# Altium PCB RMP_MAIN_PCB.PcbDoc (part 2 of 2)
Units mil, origin at the board's own origin, x right, y up, seen from the top; angles counter-clockwise.
Board outline 8260 x 4600 mil, 2 copper layers (Top Layer, Bottom Layer), stack 38.977 mil thick; 217 components, 130 nets, 944 pads, 269 vias.
Unrouted connection lines stored in the file: 5.
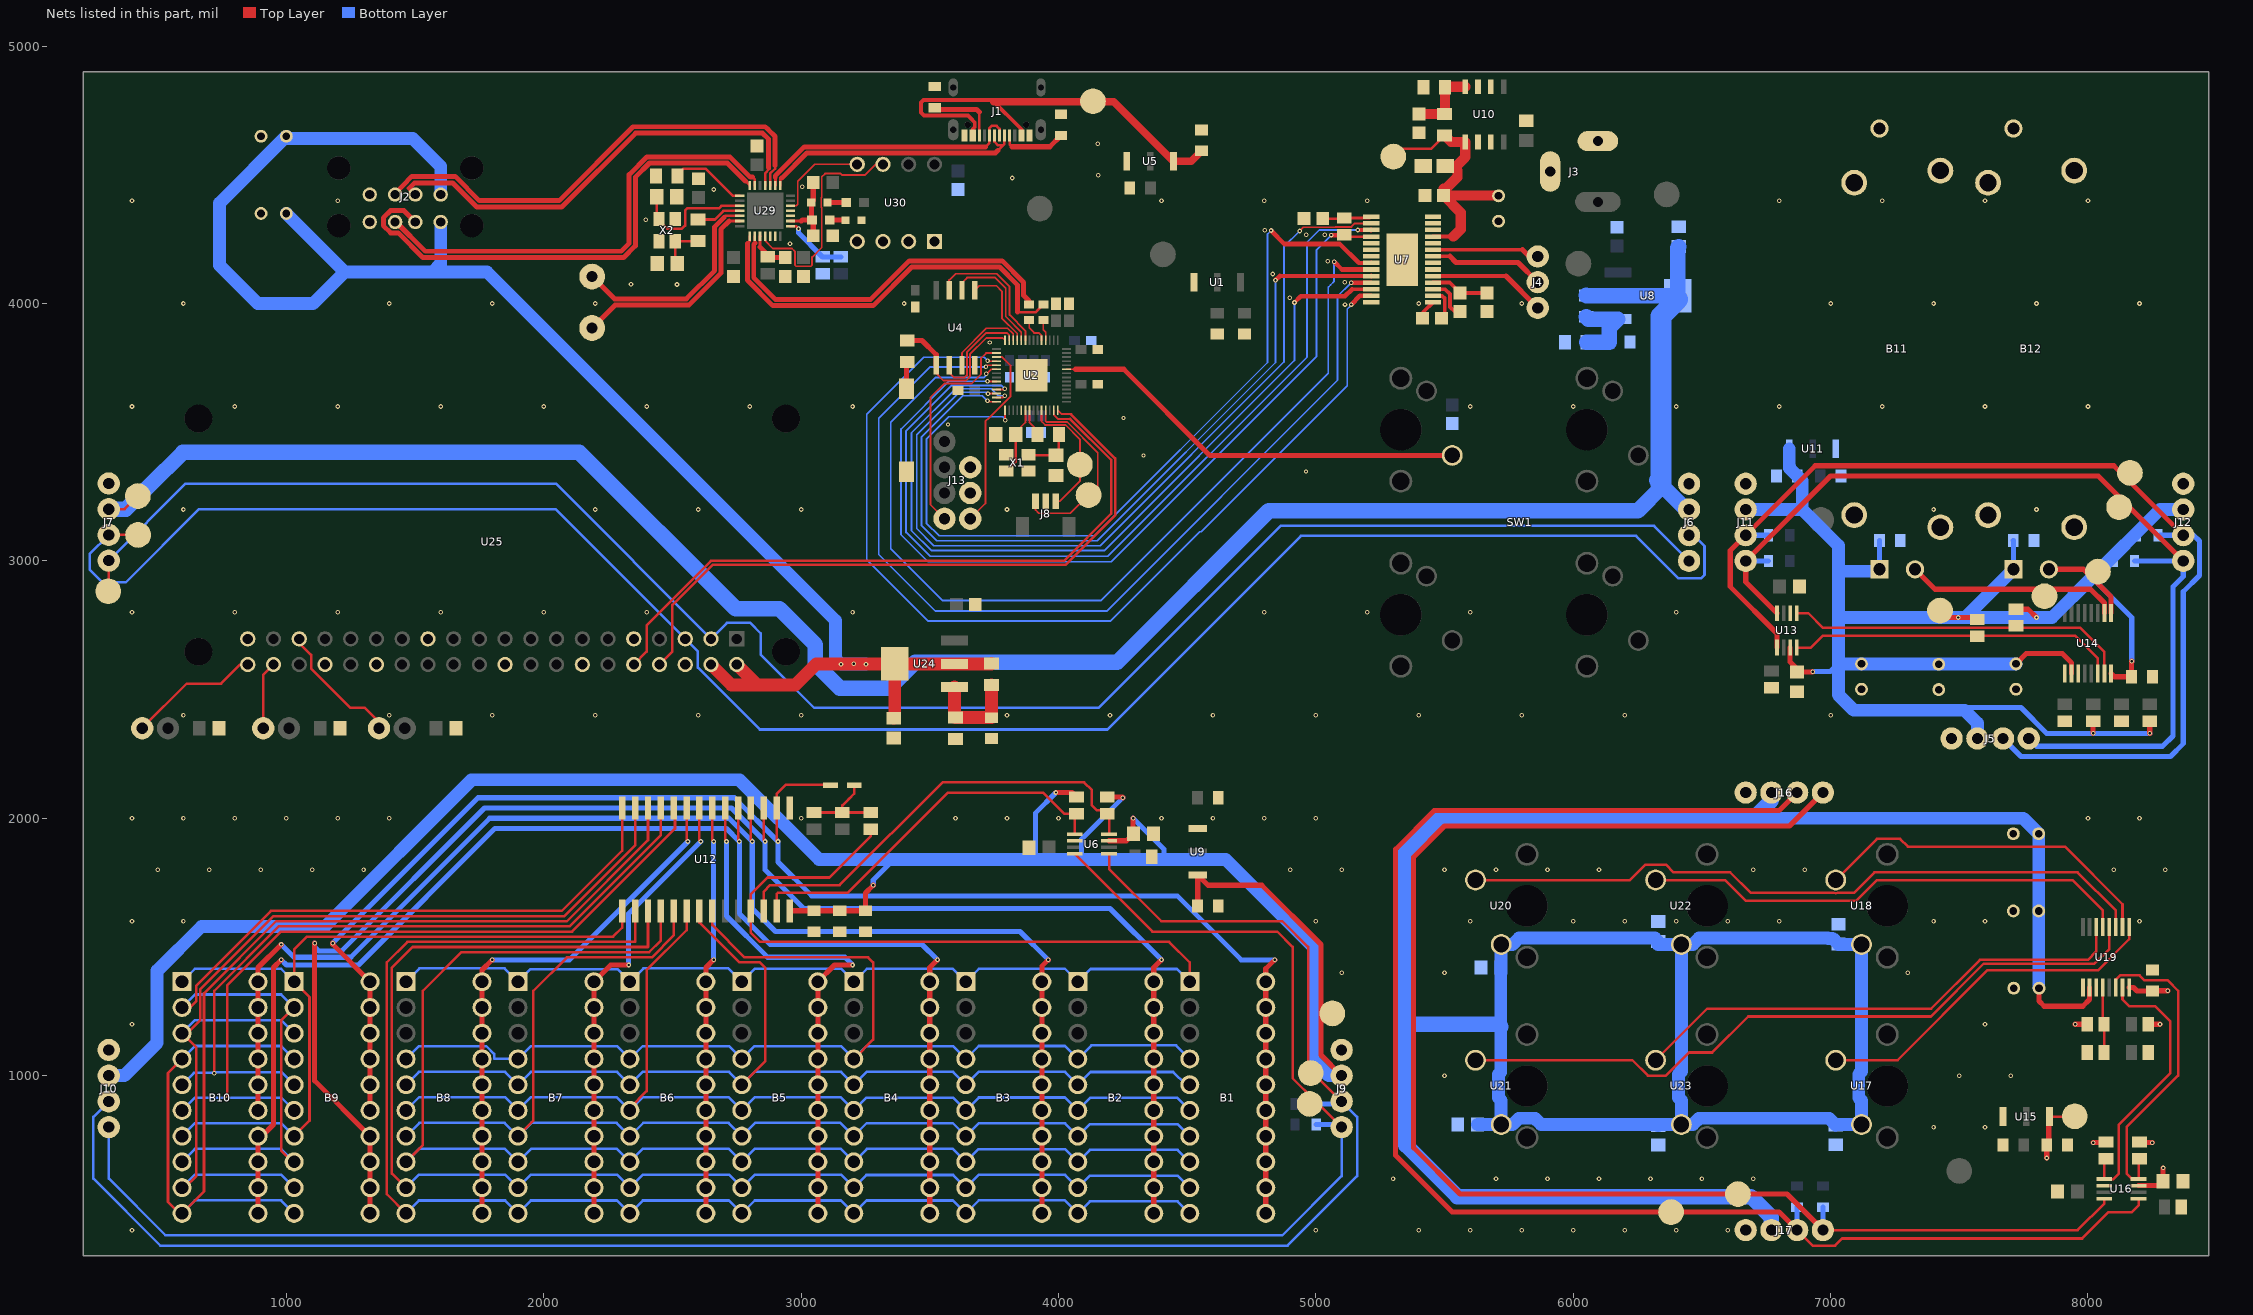
[diagram p2: the nets of this part, all layers, seen from the top]

## Via types
v1: diameter 18, hole 9, Top Layer to Bottom Layer, 264 vias
v2: diameter 16, hole 8, Top Layer to Bottom Layer, 5 vias

## Nets (pads, with @x,y where several pads share a name; then routed paths per layer and width w, separated by ;. In a path a pad name is that pad's centre, name@x,y a point inside that pad or via, vN(x,y) a via of type N, cw(c..) or ccw(c..) an arc to the next point about the centre after c; other vN are vias at no path point) (continued)
A1_ADC_MM: R38.1 R40.2 U19.12 | length 255.2
  Top Layer w10: U19.12@8057.2,1343 8057.2,1205.3 R38.1@8062.5,1200 R40.2@8062.5,1090
A2: B1.1 B2.1 B3.1 B4.1 B5.1 B6.1 B7.1 B8.1 R15.2 U12.25 | length 5901.7
  Top Layer w10: R15.2@3270,1957.5 3270,1930 3110,1770 2870,1770 2805,1705 U12.25@2805,1640 2805,1555 2840,1520 4430,1520 4510,1440 B1.1@4510,1365
  Bottom Layer w10: B8.1@1465,1365 1517.19,1417.19 1847.81,1417.19 B7.1@1900,1365 1948.9,1413.9 2285.83,1413.9 B6.1@2334.72,1365 2386.92,1417.19 2717.53,1417.19 B5.1@2769.72,1365 2820.3,1415.58 3154.14,1415.58 B4.1@3204.72,1365 3255.03,1415.31 3589.69,1415.31 B3.1@3640,1365 3690.51,1415.51 4024.49,1415.51 B2.1@4075,1365 4124.51,1414.51 4460.49,1414.51 B1.1@4510,1365
B1: R12.1 U6.8 U12.26 | length 1753.8
  Top Layer w10: U12.26@2855,1640 2855,1715 2880,1740 3150,1740 3550,2140 4100,2140 4130,2110 4130,2050 4148.5,2031.5 4176,2031.5 R12.1@4190,2017.5 4196.75,2010.75 U6.8@4196.75,1938.39
B1_ADC_MM: R36.1 U16.8 U19.14 | length 1231.5
  Top Layer w10: U19.14@8108.39,1343 8108.39,1370 8108.39,1373.55 8124.83,1390 8200,1390 8220,1370 8310,1370 8350,1330 8350,1000 8150,800 8150,620 8171.61,598.39 U16.8@8196.75,598.39 R36.1@8196.75,677.5
B1_ADC_SM: R27.1 U13.8 U14.14 | length 1284.6
  Top Layer w10: U13.8@6868.39,2663.25 6923.25,2663.25 6970,2710 7570,2710 7950,2710 8038.39,2621.61 U14.14@8038.39,2563
B2: R11.1 U6.1 U12.27 | length 1509.7
  Top Layer w10: U12.27@2905,1640 2905,1705 2910,1710 3180,1710 3570,2100 3940,2100 4022.5,2017.5 R11.1@4070,2017.5 4063.25,2010.75 U6.1@4063.25,1938.39
B2_ADC_MM: R35.1 U16.1 U19.15 | length 1086.3
  Top Layer w10: R35.1@8063.25,677.5 U16.1@8063.25,598.39 8098.39,598.39 8120,620 8120,810 8320,1010 8320,1210 8260,1270 8160,1270 8133.98,1296.02 U19.15@8133.98,1343
B2_ADC_SM: R26.1 U13.1 U14.15 | length 1341
  Top Layer w10: U13.1@6868.39,2796.75 6913.25,2796.75 6970,2740 7720,2740 7970,2740 8063.98,2646.02 U14.15@8063.98,2563
BUS_5V: C38.2 J6.2 J7.2 R17.2 TP7.1 U8.2 U8.4 | length 8493.2
  Top Layer w10: J7.2@310,3201 372,3201 TP7.1@423,3252
  Bottom Layer w60: J7.2@310,3201 377,3201 469,3293 598,3422 2138,3422 2745.93,2814.07 2916.07,2814.07 3055,2675.15 3055,2601 3150,2506 3343,2506 3443,2606 4228,2606 4817,3195 6251,3195 6347,3291 ; R17.2@6050,4031.5 6051.5,4030 U8.2@6173.86,4030 U8.4@6406.14,4030 ; 6324.37,3313.63 6341,3297 6347,3291 ; U8.4@6406.14,4016.12 U8.4@6406.14,4030 ; C38.2@6410,4221.5 6406.14,4217.64 U8.4@6406.14,4030 ; J6.2@6450,3200 6438,3200 6347,3291
  Bottom Layer w80: 6341,3297 6341,3950.97 U8.4@6406.14,4016.12
CC1: J1.A5 R7.1 | length 255.9
  Top Layer w10: J1.A5@3810.43,4652.87 3810.43,4618.57 3820,4609
  Top Layer w20: 3820,4609 3966.34,4609 R7.1@4010,4652.66
CC2: J1.B5 R43.1 | length 274.5
  Top Layer w10: J1.B5@3692.32,4652.87 3692.32,4743.68
  Top Layer w20: R43.1@3519,4768.66 3533.66,4754 3682,4754 3692.32,4743.68
COM0: B1.11 B1.12 B1.13 B1.14 B1.15 B1.16 B1.17 B1.18 B1.19 B1.20 B9.15 B9.16 B9.17 B9.18 B9.19 B9.20 CR1.2 U12.2 | length 6322.1
  Top Layer w10: v1(2910,1910) 2905,1915 U12.2@2905,2040 2905,2095 2940,2130 3112,2130 CR1.2@3113.5,2128.5
  Top Layer w20: v1(1180,1515) 1180,1510.28 B9.20@1325.28,1365 B9.19@1325.28,1265 B9.18@1325.28,1165 B9.17@1325.28,1065 B9.16@1325.28,965 B9.15@1325.28,865 ; B1.11@4805.28,465 B1.12@4805.28,565 B1.13@4805.28,665 B1.14@4805.28,765 B1.15@4805.28,865 B1.16@4805.28,965 B1.17@4805.28,1065 B1.18@4805.28,1165 B1.19@4805.28,1265 B1.20@4805.28,1365 4805.28,1415.28 v1(4840,1450)
  Bottom Layer w20: v1(1180,1515) 1745,2080 2740,2080 v1(2910,1910) 2910,1830 3041.24,1698.76 4461.24,1698.76 4710,1450 v1(4840,1450)
COM1: B2.11 B2.12 B2.13 B2.14 B2.15 B2.16 B2.17 B2.18 B2.19 B2.20 B9.11 B9.12 B9.13 B9.14 U12.3 | length 6117.1
  Top Layer w10: U12.3@2855,2040 2855,1915 v1(2860,1910)
  Top Layer w20: v1(1110,1514.31) 1110,980.28 B9.14@1325.28,765 B9.13@1325.28,665 B9.12@1325.28,565 B9.11@1325.28,465 ; B2.11@4370.28,465 B2.12@4370.28,565 B2.13@4370.28,665 B2.14@4370.28,765 B2.15@4370.28,865 B2.16@4370.28,965 B2.17@4370.28,1065 B2.18@4370.28,1165 B2.19@4370.28,1265 B2.20@4370.28,1365 4370.28,1420.28 v1(4400,1450)
  Bottom Layer w20: v1(1110,1514.31) 1110,1500 1125,1485 1215,1485 1770,2040 2730,2040 v1(2860,1910) 2860,1800 3010,1650 4200,1650 v1(4400,1450)
COM2: B3.11 B3.12 B3.13 B3.14 B3.15 B3.16 B3.17 B3.18 B3.19 B3.20 B10.15 B10.16 B10.17 B10.18 B10.19 B10.20 U12.4 | length 5414.1
  Top Layer w10: U12.4@2805,2040 2805,1915 v1(2810,1910)
  Top Layer w20: B10.15@890,865 B10.16@890,965 B10.17@890,1065 B10.18@890,1165 B10.19@890,1265 B10.20@890,1365 890,1420 v1(980,1510) ; B3.11@3935.28,465 B3.12@3935.28,565 B3.13@3935.28,665 B3.14@3935.28,765 B3.15@3935.28,865 B3.16@3935.28,965 B3.17@3935.28,1065 B3.18@3935.28,1165 B3.19@3935.28,1265 B3.20@3935.28,1365 3935.28,1425.28 v1(3960,1450)
  Bottom Layer w20: v1(980,1510) 1030,1460 1250,1460 1790,2000 2720,2000 v1(2810,1910) 2810,1650 2900,1560 3850,1560 v1(3960,1450)
COM3: B4.11 B4.12 B4.13 B4.14 B4.15 B4.16 B4.17 B4.18 B4.19 B4.20 B10.11 B10.12 B10.13 B10.14 U12.5 | length 5313.6
  Top Layer w10: U12.5@2755,2040 2755,1915 v1(2760,1910)
  Top Layer w20: B10.11@890,465 B10.12@890,565 B10.13@890,665 B10.14@890,765 905,765 950,810 950,1420 v1(980,1450) ; B4.11@3500,465 B4.12@3500,565 B4.13@3500,665 B4.14@3500,765 B4.15@3500,865 B4.16@3500,965 B4.17@3500,1065 B4.18@3500,1165 B4.19@3500,1265 B4.20@3500,1365 3500,1420 v1(3530,1450)
  Bottom Layer w20: v1(980,1450) 1000,1430 1280,1430 1810,1960 2710,1960 v1(2760,1910) 2760,1630 2880,1510 3470,1510 v1(3530,1450)
COM4: B5.11 B5.12 B5.13 B5.14 B5.15 B5.16 B5.17 B5.18 B5.19 B5.20 U12.6 | length 2052.7
  Top Layer w10: U12.6@2705,2040 2705,1915 v1(2710,1910)
  Top Layer w20: B5.11@3065,465 B5.12@3065,565 B5.13@3065,665 B5.14@3065,765 B5.15@3065,865 B5.16@3065,965 B5.17@3065,1065 B5.18@3065,1165 B5.19@3065,1265 B5.20@3065,1365 3130,1430 v1(3200,1430)
  Bottom Layer w20: v1(2710,1910) 2710,1620 2870,1460 3170,1460 v1(3200,1430)
COM5: B6.11 B6.12 B6.13 B6.14 B6.15 B6.16 B6.17 B6.18 B6.19 B6.20 U12.7 | length 1589.5
  Top Layer w10: U12.7@2655,2040 2655,1915 v1(2660,1910)
  Top Layer w20: B6.11@2630,465 B6.12@2630,565 B6.13@2630,665 B6.14@2630,765 B6.15@2630,865 B6.16@2630,965 B6.17@2630,1065 B6.18@2630,1165 B6.19@2630,1265 B6.20@2630,1365 2630,1420 v1(2660,1450)
  Bottom Layer w20: v1(2660,1450) v1(2660,1910)
COM6: B7.11 B7.12 B7.13 B7.14 B7.15 B7.16 B7.17 B7.18 B7.19 B7.20 U12.8 | length 1789.7
  Top Layer w10: U12.8@2605,2040 2605,1915 v1(2610,1910)
  Top Layer w20: B7.11@2195.28,465 B7.12@2195.28,565 B7.13@2195.28,665 B7.14@2195.28,765 B7.15@2195.28,865 B7.16@2195.28,965 B7.17@2195.28,1065 B7.18@2195.28,1165 B7.19@2195.28,1265 B7.20@2195.28,1365 2260.28,1430 v1(2330,1430)
  Bottom Layer w20: v1(2330,1430) 2330,1630 v1(2610,1910)
COM7: B8.11 B8.12 B8.13 B8.14 B8.15 B8.16 B8.17 B8.18 B8.19 B8.20 U12.9 | length 2084.1
  Top Layer w10: U12.9@2555,2040 2555,1915 v1(2560,1910)
  Top Layer w20: B8.11@1760.28,465 B8.12@1760.28,565 B8.13@1760.28,665 B8.14@1760.28,765 B8.15@1760.28,865 B8.16@1760.28,965 B8.17@1760.28,1065 B8.18@1760.28,1165 B8.19@1760.28,1265 B8.20@1760.28,1365 1760.28,1410.28 v1(1800,1450)
  Bottom Layer w20: v1(1800,1450) 2100,1450 v1(2560,1910)
D+_PICO: R4.2 U29.16 | length 1438.4
  Top Layer w10: 2820.63,4234.63 U29.16@2820.63,4261.5
  Top Layer w19: 2820.63,4234.63 2815.82,4229.82 2815.82,4100.3 2900.12,4016 3270,4016 3420,4166 3780.94,4166 3864,4082.94 3864,4032 3886,4010 R4.2@3886,3996.47
D+_ZERO: U29.13 USB_PAD.1 | length 845.2
  Top Layer w10: 2720.63,4320.63 U29.13@2761.5,4320.63
  Top Layer w19: USB_PAD.1@2188,3905 2277,3994 2564,3994 2688,4118 2688,4288 2720.63,4320.63
D-_PICO: R5.2 U29.15 | length 1574.9
  Top Layer w10: 2791.82,4233.82 2800.94,4242.94 U29.15@2800.94,4261.5 ; 3840,3966 3911.27,3966 3919.79,3974.52 ; 3919.79,3975.26 R5.2@3941,3996.47
  Top Layer w19: 2791.82,4233.82 2791.82,4090.35 2890.18,3992 3274,3992 3279.94,3992 3429.94,4142 3771,4142 3840,4073 3840,3966
D-_ZERO: U29.12 USB_PAD.2 | length 833.3
  Top Layer w10: 2706.32,4340.31 U29.12@2761.5,4340.31
  Top Layer w19: USB_PAD.2@2188,4105 2275,4018 2554,4018 2664,4128 2664,4298 2699.73,4333.73
EN1: U2.13 U7.26 | length 3229.8
  Top Layer w7: U2.13@3759,3634.39 3783.39,3634.39 v1(3791,3642)
  Top Layer w15: 5140.59,4055.59 U7.26@5214.84,4055.59
  Top Layer w18: v1(4917,4004) 4941,4028 5113,4028 5140.59,4055.59
  Bottom Layer w7: v1(3791,3642) 3766,3642 3739,3669 3600,3669 3429,3498 3429,3118 3507,3040 4178,3040 4917,3779 v1(4917,4004)
EN2: U2.14 U7.24 | length 3097.4
  Top Layer w7: v1(3724,3622) 3724,3620 3725.36,3618.64 U2.14@3759,3618.64
  Top Layer w15: 4859.8,4106.8 U7.24@5214.84,4106.77
  Top Layer w18: v1(4843,4090) 4859.8,4106.8
  Bottom Layer w7: v1(3724,3622) 3704,3642 3628,3642 3468,3482 3468,3137 3527,3078 4150,3078 4843,3771 v1(4843,4090)
EN3: U2.15 U7.22 | length 3298
  Top Layer w7: U2.15@3792.64,3585 3792.64,3547.36 v1(3793,3547)
  Top Layer w15: 5167,4158 U7.22@5214.84,4157.95
  Top Layer w18: v1(4826,4284) 4826,4283 4877.5,4231.5 5093.5,4231.5 5167,4158 ; U7.22@5214.84,4157.95 U7.22@5214.84,4157.95
  Bottom Layer w7: v1(3793,3547) 3793,3550 3782.87,3560.13 3574.11,3560.13 3487,3473.03 3487,3147 3536,3098 4139,3098 4812,3771 4812,4097.67 4812,4270 v1(4826,4284)
FAULT: R16.2 U2.9 U7.18 | length 3501.4
  Top Layer w7: v1(3724,3698.5) 3724,3698 3724.62,3697.38 U2.9@3759,3697.38
  Top Layer w10: R16.2@5110,4267.5 5117.19,4260.31 U7.18@5214.84,4260.31
  Top Layer w18: v1(5060,4266) 5108.5,4266 R16.2@5110,4267.5
  Bottom Layer w7: v1(3724,3698.5) 3724,3698 3574,3698 3388,3512 3388,3102 3493,2997 4205,2997 5003,3795 5003,4209 v1(5060,4266)
GANG: LED1.1 R2.1 R44.1 R45.2 U29.23 | length 298.8
  Top Layer w10: U29.23@2958.5,4320.63 3000.63,4320.63
  Top Layer w20: 3000.63,4320.63 3005.05,4325.05 R44.1@3042.38,4325.05 ; R45.2@3047.38,4263.61 3047.38,4320.05 R44.1@3042.38,4325.05 ; R2.1@3047.38,4470.44 3047.38,4400.54 LED1.1@3039.82,4392.98 3039.82,4327.61 R44.1@3042.38,4325.05
GND: B11.3 B11.MH1 B11.MH2 B11.MH3 B11.MH4 B12.3 B12.MH1 B12.MH2 B12.MH3 B12.MH4 C1.1 C2.1 C3.1 C4.1 C5.1 C6.2 C7.1 C8.1 C9.1 C10.1 C11.1 C12.1 C13.1 C14.1 C15.1 C16.1 C17.2 C18.1 C19.1 C20.2 C21.2 C22.2 C23.2 C24.1 C25.2 C26.1 C27.1 C28.1 C29.1 C32.1 C33.2 C34.1 C35.1 C36.1 C37.1 C38.1 C39.1 C40.2 C41.1 C42.1 C43.1 C44.2 C45.1 C46.2 C47.1 C48.1 C49.1 C50.1 C51.1 C52.2 C53.2 C54.2 C55.2 C56.2 C57.1 C58.1 C59.1 C60.2 C61.2 C62.1 C63.2 C64.2 C65.2 C66.2 C67.2 C68.2 C69.2 C70.1 C71.1 C72.1 C73.2 C74.2 C75.2 C76.2 C77.2 C78.2 DNI.1 J1.A1-B12 J1.B1-A12 J2.4 J2.8 J3.2 J3.3 J5.1 J6.1 J7.1 J8.2 J9.1 J10.1 J11.1 J12.1 J13.6 J13.7 J16.1 J17.1 LED2.1 R7.2 R10.2 R18.1 R22.1 R25.2 R30.1 R31.1 R34.2 R39.1 R40.1 R42.1 R43.2 R45.1 R49.1 R51.1 U1.1 U2.19 U2.57 U3.1 U4.4 U5.1 U6.2 U7.6 U7.7 U7.10 U7.12 U7.13 U7.14 U7.19 U7.20 U7.21 U7.28 U7.29 U9.1 U10.2 U10.3 U10.6 U10.7 U11.1 U12.1 U13.2 U14.9 U14.11 U15.1 U16.2 U19.9 U19.11 U25.6 U25.9 U25.14 U25.20 U25.25 U25.30 U25.34 U25.39 U29.19 U29.20 U29.24 U29.25 U30.1 U30.2 U30.3 U30.4 X1.2 X1.4 X2.2 X2.4
  other v1: 400,400 400,400 5000,400 5400,400 5600,400 5600,400 5800,400 6000,400 6000,400 6200,400 6400,400 6400,400 6600,400 5300,600 5700,600 5900,600 6100,600 6300,600 6500,600 6700,600 7400,800 7400,800 7600,800 5500,1000 7500,1000 7700,1000 400,1200 400,1200 7600,1200 7600,1200 5100,1400 5500,1400 7300,1400 400,1600 600,1600 600,1600 5000,1600 5000,1600 5600,1600 6000,1600 6200,1600 6200,1600 6400,1600 6600,1600 6800,1600 7400,1600 7400,1600 7600,1600 8200,1600 8200,1600 500,1800 700,1800 900,1800 1100,1800 1300,1800 4900,1800 5100,1800 5500,1800 5700,1800 5900,1800 6100,1800 6700,1800 6900,1800 8100,1800 8300,1800 400,2000 400,2000 600,2000 800,2000 800,2000 1000,2000 1200,2000 1200,2000 1400,2000 3000,2000 3600,2000 3600,2000 3800,2000 4000,2000 4000,2000 4400,2000 4400,2000 4600,2000 4800,2000 4800,2000 5000,2000 8000,2000 8000,2000 8200,2000 600,2400 1400,2400 1800,2400 2200,2400 2600,2400 3000,2400 3800,2400 4200,2400 4600,2400 5000,2400 5400,2400 5800,2400 6200,2400 7000,2400 400,2800 800,2800 1200,2800 1600,2800 2000,2800 2400,2800 3200,2800 4800,2800 5200,2800 5600,2800 6400,2800 600,3200 2200,3200 2600,3200 3000,3200 3800,3200 7400,3200 7800,3200 400,3600 800,3600 1200,3600 1600,3600 2000,3600 2400,3600 2800,3600 3200,3600 5600,3600 6000,3600 6400,3600 6800,3600 7200,3600 7600,3600 8000,3600 5113,3996 600,4000 1400,4000 1800,4000 2200,4000 3400,4000 5400,4000 5800,4000 7000,4000 7400,4000 7800,4000 8200,4000 4899,4023 2518,4074 2339,4075 5112,4083 4833,4115 5046,4164 2957,4232 4963,4267 5035,4267 4801,4285 2396,4325 400,4400 1200,4400 4400,4400 4800,4400 5200,4400 6800,4400 7200,4400 7600,4400 8000,4400 2660,4443 3005,4454 3820,4488 4154,4499 4153,4621
  other v2: 4962,3348 4331,3409 3570,3530 4253,3556 3733,3849
I2C0_SCL: J13.5 U2.3 | length 728.6
  Top Layer w7: J13.5@3657,3164 3716,3223 3716,3542 3730.47,3556.47 3814,3640 3814,3759 3781.13,3791.87 U2.3@3759,3791.87
I2C0_SDA: J13.4 U2.2 | length 857.9
  Top Layer w7: J13.4@3557,3164 3502.82,3218.18 3502.82,3635.82 3556,3689 3662.02,3689 3699,3725.98 3699,3788 3718.61,3807.61 U2.2@3759,3807.61
I2C1_SCL: J6.3 J7.3 TP8.1 U25.5 | length 7657
  Top Layer w10: J7.3@310,3101 TP8.1@424,3101
  Bottom Layer w10: J7.3@310,3101 236,3027 236,2966 285,2917 376,2917 659,3200 2047.24,3200 U25.5@2550,2697.24 2599,2648.24 2599,2586 2840,2345 4190,2345 4942.28,3097.28 6243.72,3097.28 6409,2932 6496,2932 6510,2946 6510,3058 6468,3100 J6.3@6450,3100
I2C1_SDA: J6.4 J7.4 TP9.1 U25.3 | length 7192.8
  Top Layer w10: TP9.1@308,2882 310,2884 J7.4@310,3001
  Bottom Layer w10: J7.4@310,3001 609,3300 2047.24,3300 U25.3@2650,2697.24 2711.76,2759 2803,2759 2843,2719 2843,2637 3051,2429 4156,2429 4863,3136 6314,3136 J6.4@6450,3000
IN1: U2.4 U7.27 | length 3924.8
  Top Layer w7: v1(3724.43,3777.9) 3726.21,3776.12 U2.4@3759,3776.12
  Top Layer w18: v1(5137,3996) 5171,4030 U7.27@5214.84,4030
  Bottom Layer w7: v1(3724.43,3777.9) 3711.33,3791 3476,3791 3255,3570 3255,3005 3494,2766 4200.91,2766 4548.41,3113.5 4554.5,3113.5 5122,3681 5122,3978.67 5131.5,3988.17 5131.5,3990.5 v1(5137,3996)
IN2: U2.5 U7.25 | length 3795.6
  Top Layer w7: v1(3718,3755) 3723.37,3760.37 U2.5@3759,3760.37
  Top Layer w18: v1(5137,4081) 5137.2,4081.2 U7.25@5214.84,4081.18
  Bottom Layer w7: v1(3718,3755) 3715.9,3752.9 3499.9,3752.9 3302,3555 3302,3025 3522,2805 4187,2805 5084,3702 5084,4028 v1(5137,4081)
IN3: U2.6 U7.23 | length 3739.6
  Top Layer w7: v1(3719,3727) 3721.86,3727 3739.49,3744.62 U2.6@3759,3744.62
  Top Layer w18: v1(5071,4163) 5101.6,4132.4 U7.23@5214.84,4132.36 U7.23@5214.84,4132.36
  Bottom Layer w7: v1(3719,3727) 3719,3721 3711,3713 3523,3713 3348,3538 3348,3048 3550,2846 4165,2846 5048,3729 5048,4063 5057,4072 5071,4086 v1(5071,4163)
KNOB_PRESS: SW1.2 U2.37 | length 1637.6
  Top Layer w7: U2.37@4031,3744.62 4065.62,3744.62
  Top Layer w20: 4065.62,3744.62 4253.38,3744.62 4588,3410 SW1.2@5530,3410
Motor_7.4V: C31.1 C32.2 C33.1 C34.2 C44.1 R21.2 TP6.1 U7.4 U7.11 U10.1 | length 1323.7
  Top Layer w10: TP6.1@5301,4571 5332,4602 5448.5,4602 R21.2@5500,4653.5 ; C33.1@5708.43,4420 C33.1@5710,4418.43
  Top Layer w15: U7.4@5455,4081.18 5520.32,4081.18 C31.1@5560,4041.5 C32.2@5665,4041.5 ; U7.11@5455,4260.31 5534.31,4260.31
  Top Layer w40: R21.2@5500,4653.5 5525.75,4627.75 U10.1@5580,4627.75 5580,4569 5550.5,4539.5 ; C44.1@5502.78,4535 5502.78,4530.5 5535.36,4530.5 5550,4515.86 5550,4491.14 5504.36,4445.5 5496.5,4445.5 C34.2@5496.5,4420 ; 5534.31,4260.31 5563,4289 5563,4353.5 C34.2@5496.5,4420 ; C33.1@5708.43,4420 C34.2@5496.5,4420
MULTI_MEDIA_SW1: U25.35 U26.2 | length 508.5
  Top Layer w10: U25.35@1050,2697.24 1050,2681 1096,2635 1096,2582 1248,2430 1304,2430 1360,2374 U26.2@1360,2350
MULTI_MEDIA_SW2: U25.38 U27.2 | length 263.8
  Top Layer w10: U27.2@910,2350 910,2557.24 U25.38@950,2597.24
MULTI_MEDIA_SW3: U25.40 U28.2 | length 512.4
  Top Layer w10: U28.2@440,2350 613,2523 746,2523 820.24,2597.24 U25.40@850,2597.24
NetB11_2: B11.2 TP11.1 U14.2 | length 829.5
  Top Layer w20: B11.2@7327.94,2967.43 7405.37,2890 8010,2890 8063.98,2836.02 U14.2@8063.98,2797
NetB12_2: B12.2 TP12.1 U14.1 | length 349.4
  Top Layer w20: B12.2@7847.94,2967.43 7982.57,2967.43 8089.57,2860.43 U14.1@8089.57,2797
NetC17_1: C17.1 R6.1 X1.3 | length 193.1
  Top Layer w10: X1.3@3883.31,3412.5 3885.5,3410.31 C17.1@3990,3410.31 4001.5,3421.81 R6.1@4001.5,3491
NetC30_1: C30.1 U7.2 | length 132.7
  Top Layer w15: U7.2@5455,4030 5491,4030 5501,4020 5501,3956.5 C30.1@5487.5,3943
NetC30_2: C30.2 U7.1 | length 78.2
  Top Layer w15: C30.2@5414.5,3943 5418.5,3947 5418.5,3967.91 U7.1@5455,4004.41
NetC31_2: C31.2 U7.3 | length 170.4
  Top Layer w10: C31.2@5539.5,3968.5 C31.2@5560,3968.5
  Top Layer w15: U7.3@5455,4055.59 5502.41,4055.59 5521,4037 5521,3987 C31.2@5539.5,3968.5
NetC35_2: C35.2 R16.1 U7.15 | length 191.3
  Top Layer w10: C35.2@5026.5,4330 5107.5,4330 R16.1@5110,4332.5 5210.26,4332.5 U7.15@5214.84,4337.09
NetC39_2: C39.2 R17.1 R18.2 U8.1 | length 319.3
  Bottom Layer w60: R17.1@6050,3948.5 6059.05,3939.45 U8.1@6173.86,3939.45 6139.5,3905.09 C39.2@6139.5,3850 R18.2@6051.5,3850
NetC41_2: C41.2 U29.10 X2.1 | length 494.2
  Top Layer w10: C41.2@2438.63,4414.76 2438.63,4337.94 X2.1@2448.22,4328.35 2448.22,4322.45 2479.88,4290.79 2537.01,4290.79 2549.01,4302.79 2549.01,4362.01 2557,4370 2681,4370 2690.68,4379.69 U29.10@2761.5,4379.69
NetC72_2: C72.2 R41.1 R42.2 U24.1 | length 386
  Top Layer w50: U24.1@3596.14,2509.45 3596.14,2395.36 R42.2@3600,2391.5 3739,2391.5 3740,2392.5 R41.1@3740,2518.5
NetC76_1: C76.1 R50.2 X2.3 | length 178.2
  Top Layer w10: C76.1@2519.03,4155.69 2511.22,4163.5 X2.3@2511.22,4241.74 2597.53,4241.74 R50.2@2599.34,4243.55
NetCR1_1: CR1.1 R13.1 R14.1 R15.1 | length 345.3
  Top Layer w10: R13.1@3050,2022.5 R14.1@3160,2022.5 ; CR1.1@3206.5,2128.5 3206.5,2096.5 3185.5,2075.5 3160,2050 R14.1@3160,2022.5 ; R15.1@3270,2022.5 R14.1@3160,2022.5
NetDNI_2: DNI.2 R21.1 R22.2 U10.8 | length 283.6
  Top Layer w40: DNI.2@5400,4736.5 R21.1@5500,4736.5 5501.5,4738 R22.2@5501.5,4840 5503.75,4842.25 U10.8@5580,4842.25
NetJ4_1: J4.1 U7.5 | length 458.3
  Top Layer w15: U7.5@5455,4106.77 5738.23,4106.77
  Top Layer w20: 5738.23,4106.77 J4.1@5862,3983
NetJ4_2: J4.2 U7.8 | length 448.6
  Top Layer w15: U7.8@5455,4183.54 5521.46,4183.54
  Top Layer w20: 5521.46,4183.54 5545,4160 5785,4160 J4.2@5862,4083
NetJ4_3: J4.3 U7.9 | length 417.8
  Top Layer w15: U7.9@5455,4209.13 5802.68,4209.13
  Top Layer w20: 5802.68,4209.13 5828.81,4183 J4.3@5862,4183
NetLED1_2: LED1.2 R1.2 | length 72.1
  Top Layer w20: LED1.2@3102.81,4392.98 R1.2@3174.94,4392.98
NetLED2_2: LED2.2 R44.2 | length 61
  Top Layer w20: R44.2@3111.38,4325.05 3170.92,4325.05 LED2.2@3171.94,4324.04
NetR3_1: R3.1 U3.2 | length 105.1
  Top Layer w20: U3.2@3410,3668.83 3410,3771.44 R3.1@3411.79,3773.23
NetR4_1: R4.1 U2.47 | length 109.2
  Top Layer w7: R4.1@3886,3935.76 3886,3905.37 3905.37,3886 3923.14,3886 3934.37,3874.77 U2.47@3934.37,3857
NetR5_1: R5.1 U2.46 | length 82.5
  Top Layer w7: R5.1@3941,3935.76 3941,3897.73 3950.12,3888.62 U2.46@3950.12,3857
NetR50_1: R50.1 U29.11 | length 176
  Top Layer w10: R50.1@2599.34,4326.55 2664.97,4326.55 2698.42,4360 U29.11@2761.5,4360
NetR51_2: R51.2 U29.8 | length 299.6
  Top Layer w10: R51.2@2519.44,4495.7 2519.44,4501.2 2541.24,4523 2630,4523 2733.95,4419.06 U29.8@2761.5,4419.06
NetU17_2: U17.2 U19.1 | length 1382.1
  Top Layer w10: U17.2@7020,1060 7260,1060 7610,1410 8040,1410 8160,1530 ; 8159.57,1529.57 U19.1@8159.57,1577
NetU18_2: U18.2 U19.2 | length 1374.5
  Top Layer w10: U18.2@7020,1760 7180,1920 7270,1920 7300,1890 7910,1890 8133.98,1666.02 U19.2@8133.98,1577
NetU19_3: U19.3 U20.2 | length 2718.1
  Top Layer w10: U20.2@5620,1760 6220,1760 6280,1820 6360,1820 6390,1790 6610,1790 6690,1710 7012.91,1710 ccw(c7020,1760) 7027.09,1710 7090,1710 7170,1790 7960,1790 8108.39,1641.61 U19.3@8108.39,1577
NetU19_4: U19.4 U21.2 | length 2776
  Top Layer w10: U21.2@5620,1060 6230,1060 6290,1000 6360,1000 6450,1090 6540,1090 6680,1230 7390,1230 7595,1435 8025,1435 8082.8,1492.8 U19.4@8082.8,1577
NetU19_5: U19.5 U22.2 | length 1917.8
  Top Layer w10: U22.2@6320,1760 6590,1760 6670,1680 7100,1680 7180,1760 7940,1760 8056.89,1643.11 8056.89,1577.32 U19.5@8057.2,1577
NetU19_6: U19.6 U23.2 | length 1981.6
  Top Layer w10: U23.2@6320,1060 6520,1260 7390,1260 7580,1450 8000,1450 8031.61,1481.61 U19.6@8031.61,1577
NetU29_18: U29.18 U30.6 | length 896.8
  Top Layer w7: U29.18@2860,4261.5 2860,4244 2890,4214 2964.55,4214 2975.7,4202.85 2975.7,4149.71 2980.67,4144.73 3037.72,4144.73 3042.7,4149.71 3042.7,4180.7 3079.88,4217.88 3079.88,4372.89 3078.31,4374.46 3078.31,4411.5 3079.88,4413.07 3079.88,4491.88 3093,4505 3154,4505 3160,4499 3229.74,4499 3248,4499 3290,4541 U30.6@3318,4541
NetU29_26: U29.26 U30.5 | length 378.5
  Top Layer w7: U29.26@2958.5,4379.69 2980.68,4379.69 2986.68,4385.69 2986.68,4474.69 3053,4541 U30.5@3218,4541
QSPI_SCLK: U2.52 U4.6 | length 452.8
  Top Layer w7: U4.6@3625,4081 3645,4101 3753.79,4101 3795,4059.79 3795,3949.79 3800,3944.79 3855.63,3889.16 U2.52@3855.63,3857
  Top Layer w10: U4.6@3625,4051.5 U4.6@3625,4081
QSPI_SD0: U2.53 U4.5 | length 336.8
  Top Layer w7: U4.5@3675,4051.5 3692.5,4069 3759,4069 3780,4048 3780,3943.57 3839.88,3883.69 U2.53@3839.88,3857
QSPI_SD1: U2.55 U4.2 | length 418.2
  Top Layer w7: U4.2@3575,3760.5 3575,3731 3593,3713 3636.02,3713 3644,3720.98 3644,3810 3720,3886 3800,3886 3808.39,3877.61 U2.55@3808.39,3857
QSPI_SD2: U2.54 U4.3 | length 321
  Top Layer w7: U4.3@3625,3760.5 3625,3809 3720,3904 3802,3904 3824.13,3881.87 U2.54@3824.13,3857
QSPI_SD3: U2.51 U4.7 | length 540
  Top Layer w7: U4.7@3575,4051.5 3575,4091 3600,4116 3760,4116 3810,4066 3810,3956 3871.38,3894.62 U2.51@3871.38,3857
QSPI_SS: R3.2 U2.56 U4.1 | length 578.6
  Top Layer w7: U4.1@3525,3728.46 3552.46,3701 3640.99,3701 3656,3716.01 3656,3803 3719,3866 3783.64,3866 U2.56@3792.64,3857
  Top Layer w20: R3.2@3411.79,3856.23 3469.77,3856.23 3525,3801 U4.1@3525,3760.5
RESET: U2.12 U7.16 | length 3319.6
  Top Layer w7: v1@3726.13,3650.13 U2.12@3759,3650.13 ; v1(4937,4282) 4951.5,4296.5 4982.02,4296.5 4997.98,4296.5 5055.02,4296.5 5076.48,4296.5 5077.98,4298 5138.02,4298 5151.52,4311.5 U7.16@5214.84,4311.5
  Bottom Layer w7: v1(3726,3650) 3725.06,3650.94 3720.44,3655.56 3614.56,3655.56 3449,3490 3449,3126 3516,3059 4162,3059 4876,3773 4876,4221 v1(4937,4282)
ROW3: B1.4 B2.4 B3.4 B4.4 B5.4 B6.4 B7.4 B8.4 U12.22 | length 4495.3
  Top Layer w10: U12.22@2655,1640 2655,1585 2780,1460 3260,1460 3280,1440 3280,1140.28 B4.4@3204.72,1065
  Bottom Layer w10: B8.4@1465,1065 1515.02,1115.02 1776.6,1115.02 1807.19,1084.43 1807.19,1065 B7.4@1900,1065 1950.15,1115.15 2284.57,1115.15 B6.4@2334.72,1065 2384.74,1115.02 2719.71,1115.02 B5.4@2769.72,1065 2819.74,1115.02 3154.71,1115.02 B4.4@3204.72,1065 3254.45,1114.73 3590.27,1114.73 B3.4@3640,1065 3690.22,1115.22 4024.78,1115.22 B2.4@4075,1065 4128.09,1118.09 4456.91,1118.09 B1.4@4510,1065
ROW4: B1.5 B2.5 B3.5 B4.5 B5.5 B6.5 B7.5 B8.5 U12.21 | length 4197.9
  Top Layer w10: U12.21@2605,1640 2605,1595 2760,1440 2840,1440 2860,1420 2860,1055.28 B5.5@2769.72,965
  Bottom Layer w10: B8.5@1465,965 1514.74,1014.74 1850.26,1014.74 B7.5@1900,965 1949.74,1014.74 2284.99,1014.74 B6.5@2334.72,965 2384.46,1014.74 2719.99,1014.74 B5.5@2769.72,965 2819.46,1014.74 3154.99,1014.74 B4.5@3204.72,965 3254.47,1014.75 3590.25,1014.75 B3.5@3640,965 3689.58,1014.58 4025.42,1014.58 B2.5@4075,965 4124.38,1014.38 4445.62,1014.38 4495,965 B1.5@4510,965
ROW5: B1.6 B2.6 B3.6 B4.6 B5.6 B6.6 B7.6 B8.6 U12.20 | length 4205.1
  Top Layer w10: B6.6@2334.72,865 2334.72,874.72 2400,940 2400,1410 2555,1565 U12.20@2555,1640
  Bottom Layer w10: B8.6@1465,865 1516.31,916.31 1848.69,916.31 B7.6@1900,865 1951.31,916.31 2283.41,916.31 B6.6@2334.72,865 2386.04,916.31 2718.41,916.31 B5.6@2769.72,865 2821.04,916.31 3153.41,916.31 B4.6@3204.72,865 3254.6,914.88 3590.12,914.88 B3.6@3640,865 3690.25,915.25 4024.75,915.25 B2.6@4075,865 4124.41,914.41 4460.59,914.41 B1.6@4510,865
ROW6: B1.7 B2.7 B3.7 B4.7 B5.7 B6.7 B7.7 B8.7 U12.19 | length 4657.4
  Top Layer w10: B7.7@1900,765 1960,825 1960,1330 2090,1460 2420,1460 2505,1545 U12.19@2505,1640
  Bottom Layer w10: B8.7@1465,765 1516.91,816.91 1848.09,816.91 B7.7@1900,765 1951.91,816.91 2282.81,816.91 B6.7@2334.72,765 2386.64,816.91 2717.81,816.91 B5.7@2769.72,765 2821.64,816.91 3152.81,816.91 B4.7@3204.72,765 3254.83,815.11 3589.89,815.11 B3.7@3640,765 3689.63,814.63 4025.37,814.63 B2.7@4075,765 4121.91,811.91 4463.09,811.91 B1.7@4510,765
ROW7: B1.8 B2.8 B3.8 B4.8 B5.8 B6.8 B7.8 B8.8 U12.18 | length 5150.9
  Top Layer w10: B8.8@1465,665 1530,730 1530,1330 1680,1480 2410,1480 2455,1525 U12.18@2455,1640
  Bottom Layer w10: B8.8@1465,665 1516.64,716.64 1848.36,716.64 B7.8@1900,665 1951.64,716.64 2283.08,716.64 B6.8@2334.72,665 2386.37,716.64 2718.08,716.64 B5.8@2769.72,665 2821.37,716.64 3153.08,716.64 B4.8@3204.72,665 3255.29,715.57 3589.43,715.57 B3.8@3640,665 3689.93,714.93 4025.07,714.93 B2.8@4075,665 4121.91,711.91 4463.09,711.91 B1.8@4510,665
ROW8: B1.9 B2.9 B3.9 B4.9 B5.9 B6.9 B7.9 B8.9 U12.17 | length 5378.8
  Top Layer w10: B8.9@1465,565 1410,620 1410,1420 1490,1500 2405,1500 U12.17@2405,1640
  Bottom Layer w10: B8.9@1465,565 1515.5,615.5 1849.5,615.5 B7.9@1900,565 1950.5,615.5 2284.22,615.5 B6.9@2334.72,565 2385.23,615.5 2719.22,615.5 B5.9@2769.72,565 2820.23,615.5 3154.22,615.5 B4.9@3204.72,565 3253.77,614.05 3590.95,614.05 B3.9@3640,565 3689.57,614.57 4025.43,614.57 B2.9@4075,565 4121.91,611.91 4463.09,611.91 B1.9@4510,565
ROW9: B1.10 B2.10 B3.10 B4.10 B5.10 B6.10 B7.10 B8.10 U12.16 | length 5457
  Top Layer w10: B8.10@1465,465 1390,540 1390,1440 1470,1520 2355,1520 U12.16@2355,1640
  Bottom Layer w10: B8.10@1465,465 1515.08,515.08 1849.92,515.08 B7.10@1900,465 1950.08,515.08 2284.64,515.08 B6.10@2334.72,465 2384.81,515.08 2719.64,515.08 B5.10@2769.72,465 2819.81,515.08 3154.64,515.08 B4.10@3204.72,465 3254.63,514.91 3590.09,514.91 B3.10@3640,465 3690.19,515.19 4024.81,515.19 B2.10@4075,465 4121.91,511.91 4463.09,511.91 B1.10@4510,465
ROW10: B9.1 B9.7 B10.1 B10.7 U12.15 | length 3104
  Top Layer w10: B9.7@1030,765 1090,825 1090,1305 B9.1@1030,1365 1030,1490 1080,1540 2270,1540 2305,1575 U12.15@2305,1640
  Bottom Layer w10: B10.7@594.72,765 645.14,815.42 979.58,815.42 B9.7@1030,765 ; B10.1@594.72,1365 645.14,1415.42 979.58,1415.42 B9.1@1030,1365
ROW11: B9.2 B9.8 B10.2 B10.8 U12.14 | length 3761.5
  Top Layer w10: B10.2@594.72,1265 625,1265 650,1290 650,1350 940,1640 2070,1640 2305,1875 U12.14@2305,2040 ; B9.8@1030,665 1025,665 980,710 980,1215 B9.2@1030,1265
  Bottom Layer w10: B10.8@594.72,665 645.14,715.42 979.58,715.42 B9.8@1030,665 ; B10.2@594.72,1265 645.14,1315.42 979.58,1315.42 B9.2@1030,1265
ROW12: B9.3 B9.9 B10.3 B10.9 U12.13 | length 3883.8
  Top Layer w10: B10.9@594.72,565 605,565 650,610 650,1109.72 B10.3@594.72,1165 615,1165 665,1215 665,1335 950,1620 2080,1620 2355,1895 U12.13@2355,2040
  Bottom Layer w10: B10.9@594.72,565 645.14,615.42 979.58,615.42 B9.9@1030,565 ; B10.3@594.72,1165 645.14,1215.42 979.58,1215.42 B9.3@1030,1165
ROW13: B9.4 B9.10 B10.4 B10.10 U12.12 | length 4591.9
  Top Layer w10: B10.4@594.72,1065 540,1010.28 540,510 585,465 B10.10@594.72,465 680,550.28 680,1320 960,1600 2090,1600 2405,1915 U12.12@2405,2040
  Bottom Layer w10: B10.10@594.72,465 645.14,515.42 979.58,515.42 B9.10@1030,465 ; B10.4@594.72,1065 645.14,1115.42 979.58,1115.42 B9.4@1030,1065
ROW14: B9.5 B10.5 U12.11 | length 2886.9
  Top Layer w10: v1(720,1010) 720,1330 970,1580 2100,1580 2455,1935 U12.11@2455,2040
  Bottom Layer w10: B10.5@594.72,965 640.32,1010.59 719.41,1010.59 v1(720,1010) 723.94,1013.94 861.21,1013.94 981.06,1013.94 B9.5@1030,965
ROW15: B9.6 B10.6 U12.10 | length 2994.6
  Top Layer w10: v1(770,910) 770,1350 980,1560 2110,1560 2510,1960 2510,2035 U12.10@2505,2040
  Bottom Layer w10: B10.6@594.72,865 644.39,914.67 765.33,914.67 v1(770,910) 774.18,914.18 980.82,914.18 B9.6@1030,865
RPI_ZERO_5V: C40.1 C71.2 C77.1 J2.1 J2.5 R41.2 U24.2 U24.4 U25.2 U25.4 | length 6720.5
  Top Layer w50: U25.4@2650,2597.24 2729.24,2518 2829.24,2518 ; U25.2@2750,2597.24 2829.24,2518 ; C71.2@3360,2388.5 3363.86,2392.36 U24.4@3363.86,2600 ; R41.2@3740,2601.5 3738.5,2600 U24.2@3596.14,2600 U24.4@3363.86,2600 ; 2829.24,2518 2977,2518 3059,2600 v1(3204,2600) U24.4@3363.86,2600
  Bottom Layer w50: C77.1@1000,4350 1227,4123 ; J2.1@1599.68,4316.87 1599.68,4154.68 1568,4123 ; J2.5@1599.68,4423.56 1599.68,4532.32 1491,4641 1009,4641 C40.1@1000,4650 740,4390 740,4149 889,4000 1104,4000 1227,4123 ; v1(3252,2599) 3251,2600 v1(3204,2600) 3156,2600 v1(3155,2599) 3134,2620 3134,2769 1780,4123 1568,4123 ; 1227,4123 1568,4123
RST_HUB: C24.2 R48.1 U29.17 | length 162
  Top Layer w10: 2840,4220 2840,4226.42 2840.13,4226.55 2840.13,4242.71 2840,4242.84 2840,4261.19 U29.17@2840.32,4261.5
  Top Layer w19: 2840,4220 2870.9,4189.1 R48.1@2870.9,4181.23 2873.9,4178.23 C24.2@2938.3,4178.23
SCL_LM: J9.3 J10.3 R8.2 TP25.1 U6.5 | length 7469
  Top Layer w10: U6.5@4196.75,1861.61 4196.75,1803.25 4400,1600 4870,1600 4970,1500 4970,1030 J9.3@5100,900
  Bottom Layer w10: J10.3@310,900 250,840 250,600 510,340 4890,340 5160,610 5160,840 J9.3@5100,900
  Bottom Layer w20: R8.2@5001.34,890 J9.3@5090,890
SCL_MM: J16.3 J17.3 R32.2 TP32.1 U16.5 | length 6051.5
  Top Layer w10: J17.3@6870,400 6930,340 7017.72,340 7045.09,367.37 7977.37,367.37 8080,470 8170.4,470 8196.75,496.35 U16.5@8196.75,521.61
  Top Layer w20: J17.3@6870,400 6800,470 TP32.1@6380,470 5530,470 5310,690 5310,1880 5460,2030 6800,2030 J16.3@6870,2100
  Bottom Layer w20: J17.3@6870,400 R32.2@6870,488.66
SCL_SM: J5.3 J11.3 J12.3 R19.2 R23.2 TP14.1 U13.5 | length 4283.1
  Top Layer w20: U13.5@6791.61,2663.25 6791.61,2718.39 6610,2900 6610,3040 J11.3@6670,3100 6940,3370 8100,3370 J12.3@8370,3100
  Bottom Layer w20: J11.3@6670,3100 R23.2@6758.66,3100 ; J5.3@7670,2310 7740,2240 8320,2240 8370,2290 8370,2880 8432.93,2942.93 8432.93,3077.07 8410,3100 J12.3@8370,3100 R19.2@8271.34,3100
SDA_LM: J9.4 J10.4 R9.2 TP26.1 U6.4 | length 7230.3
  Top Layer w10: U6.4@4063.25,1861.61 4364.86,1560 4850,1560 4910,1500 4910,990 4995,905 J9.4@5100,800
  Bottom Layer w10: J10.4@310,800 310,600 530,380 4870,380 5100,610 J9.4@5100,800
  Bottom Layer w20: R9.2@5001.34,810 J9.4@5090,810
SDA_MM: J16.4 J17.4 R33.2 TP33.1 U16.4 | length 5789.1
  Top Layer w10: J17.4@6970,400 7960,400 8063.25,503.25 U16.4@8063.25,521.61
  Top Layer w20: J17.4@6970,400 6911.69,458.31 6830,540 TP33.1@6640,540 5560,540 5380,720 5380,1850 5500,1970 6840,1970 J16.4@6970,2100
  Bottom Layer w20: J17.4@6970,400 R33.2@6970,488.66
SDA_SM: J5.4 J11.4 J12.4 R20.2 R24.2 TP15.1 U13.4 | length 3789.9
  Top Layer w20: U13.4@6791.61,2796.75 6670,2918.36 J11.4@6670,3000 7000,3330 8040,3330 J12.4@8370,3000
  Bottom Layer w20: J11.4@6670,3000 R24.2@6758.66,3000 ; J5.4@7770,2310 7800,2280 8290,2280 8330,2320 8330,2900 8370,2940 J12.4@8370,3000 R20.2@8181.34,3000
SELFPWR: R47.1 R49.2 U29.22 | length 255.1
  Top Layer w10: U29.22@2958.5,4300.94 2980.06,4300.94 v1(2990,4291)
  Bottom Layer w20: v1(2990,4291) 2990,4274.82 R49.2@3083.59,4181.23 R47.1@3154.49,4181.23
SLEEP: U2.11 U7.17 | length 3520.2
  Top Layer w7: U2.11@3759,3665.88 3787.88,3665.88 v1(3791,3669)
  Top Layer w15: v1(5163,4286) U7.17@5212.92,4286
  Top Layer w18: U7.17@5212.92,4286 5212.84,4285.91 U7.17@5214.84,4285.91
  Bottom Layer w7: v1(3791,3669) 3779,3681 3584,3681 3408,3505 3408,3111 3501,3018 4192,3018 4965.49,3791.49 4965.49,4237.49 5014,4286 v1(5163,4286)
SWCLK: J8.1 TP22.1 U2.24 | length 509.3
  Top Layer w7: U2.24@3934.37,3585 3934.37,3541.63 3948,3528 3974.98,3528 4028.09,3528 4083,3473.09 TP22.1@4083,3374 4083,3310 4005.24,3232.24 J8.1@3989.37,3232.24
SWDIO: J8.3 TP23.1 U2.25 | length 750.2
  Top Layer w7: J8.3@3910.63,3232.24 3910.63,3198.37 3923.75,3185.25 4046.25,3185.25 TP23.1@4117,3256 ; U2.25@3950.12,3585 3950.12,3542.85 3952.97,3540 4033.06,3540 4152.5,3420.56 TP23.1@4152.5,3240.5
UART_RX_ZERO: U2.27 U25.10 | length 2680.4
  Top Layer w7: U2.27@3981.66,3584.96 3981.66,3567.18 3996.84,3552 4045.3,3552
  Top Layer w10: U25.10@2350,2597.24 2400,2647.24 2400,2750 2650,3000 4021.51,3000 4205,3183.49 4205,3392.3 4045.3,3552
UART_TX_ZERO: U2.28 U25.8 | length 2637.7
  Top Layer w7: U2.28@3997.36,3585 4011.17,3571.19 4047.32,3571.19 4049.41,3569.1
  Top Layer w10: U25.8@2450,2597.24 2500,2647.24 2500,2828.79 2656.21,2985 4027.72,2985 4220,3177.28 4220,3398.51 4049.41,3569.1
USB_D+: J1.A6 J1.B6 U29.2 | length 1055.3
  Top Layer w10: U29.2@2899.37,4458.5 2900.39,4459.52 2900.39,4489.61 2899.56,4489.61 ; 3716.64,4609 3731.69,4624.05 J1.B6@3731.69,4652.87 3731.69,4681.69 3740,4690 3760,4690 3771.06,4678.94 J1.A6@3771.06,4652.87
  Top Layer w19: 2899.56,4489.61 2899.56,4496.53 3012.03,4609 3019.77,4609 3038.8,4609 3716.64,4609
USB_D+_1: J2.6 U29.4 | length 1796.9
  Top Layer w10: U29.4@2860,4458.5 2860,4506 2878,4524 2874,4528
  Top Layer w19: J2.6@1501.25,4423.56 1477,4447.81 1498.19,4469 1645.64,4469 1739.64,4375 2070,4375 2357,4662 2850,4662 2859.5,4652.5 ; 2860.21,4652.5 2874,4638.71 2874,4528
  Top Layer w20: 2859.5,4652.5 2860.21,4652.5
USB_D+_2: J2.2 U29.7 | length 2004.8
  Top Layer w10: 2783.44,4476 U29.7@2800.94,4458.5
  Top Layer w19: J2.2@1501.25,4316.87 1457.12,4361 1404.54,4361 1377,4333.46 1377,4302.27 1404.91,4274.37 1421,4274.37 1434.69,4274.37 1530.06,4179 2310.94,4179 2356,4224.06 2356,4491 2411,4546 2713.44,4546 2783.44,4476
USB_D-: J1.A7 J1.B7 U29.1 | length 1053.2
  Top Layer w7: 2919.36,4488.75 2922.39,4488.75 2924.06,4487.08
  Top Layer w10: U29.1@2919.06,4458.5 2919.06,4488.45 2919.36,4488.75 ; J1.A7@3751.38,4652.87 3751.38,4628.62 3765.41,4614.59 3784.59,4614.59 ; 3765,4595 3784.59,4614.59 ; J1.B7@3790.75,4652.87 3790,4652.13 3790,4620 3784.59,4614.59
  Top Layer w19: 2924.06,4487.08 3021.97,4585 3755,4585 3765,4595
USB_D-_1: J2.7 U29.3 | length 1880.8
  Top Layer w10: U29.3@2879.68,4458.5 2879.68,4504.47 2899,4523.79 2899,4536
  Top Layer w19: J2.7@1422.51,4428.67 1452,4458.16 1487.84,4494 ; 1492.95,4494 1656,4494 1750,4400 2059.64,4400 2346.64,4687 2860.36,4687 2869.86,4677.5 ; 2870.57,4677.5 2899,4649.07 2899,4536
  Top Layer w20: J2.7@1422.51,4423.56 J2.7@1422.51,4428.67 ; 1487.84,4494 1492.95,4494 ; 2869.86,4677.5 2870.57,4677.5
USB_D-_2: J2.3 U29.6 | length 1813.8
  Top Layer w10: 2812,4491 2820.63,4482.37 U29.6@2820.63,4458.5
  Top Layer w19: J2.3@1422.51,4316.87 1426.13,4316.87 1540,4203 2301,4203 2332,4234 2332,4500.94 2401.06,4570 2723.39,4570 2802.39,4491 2812,4491
VBUS_5V: C18.2 J1.A4-B9 J1.B4-A9 TP3.1 U5.3 | length 1703.5
  Top Layer w15: J1.B4-A9@3666.73,4652.87 3666.73,4678.52 3674.82,4686.61 3674.82,4703.39 3657.92,4720.3 3657.7,4720.3 3648,4730 3478,4730 3466,4742 3466,4781.22 3476,4791.22 3741.78,4791.22 3855.71,4677.29 J1.A4-B9@3855.71,4652.87
  Top Layer w30: 3748.55,4784.45 3915.68,4784.45 3946.92,4784.45 4215.05,4784.45 U5.3@4446.5,4553 4515.5,4553 C18.2@4556,4593.5
VBUS_5V_LM: C26.2 C27.2 C28.2 C29.2 C42.2 J9.2 J10.2 R11.2 R12.2 TP24.1 U6.7 U9.3 U12.28 | length 9083.2
  Top Layer w20: U12.28@2955,1640 2955.53,1640.53 C29.2@3050,1640.53 C28.2@3150,1640.53 C27.2@3250,1640.53 3250,1710 v1(3280,1740) ; v1(3990,2100) 4052.5,2100 R11.2@4070,2082.5 ; R12.2@4190,2082.5 4247.5,2082.5 v1(4250,2080) ; U6.7@4196.75,1912.8 4264.3,1912.8 C26.2@4291.5,1940 4290,1941.5 v1(4290,2000) ; C42.2@4539.5,1659.26 4541,1660.76 U9.3@4541,1779.5 4580.5,1740 4790,1740 5020,1510 5020,1080 J9.2@5100,1000
  Bottom Layer w20: v1(3280,1740) 3280,1760 3360,1840 ; 3910,1840 3910,2020 v1(3990,2100) ; 4090,1840 4090,1920 v1(4250,2080) ; v1(4290,2000) 4410,1880 4410,1840
  Bottom Layer w50: J10.2@310,1000 370,1000 498.07,1128.07 498.07,1408.07 670,1580 1150,1580 1720,2150 2760,2150 3070,1840 3360,1840 3910,1840 4090,1840 4410,1840 4650,1840 4990,1500 4990,1060 5050,1000 J9.2@5099.82,1000
VBUS_5V_MM: C57.2 C58.2 C60.1 C61.1 C62.2 C63.1 C64.1 C65.1 C66.1 C67.1 C68.1 C69.1 J16.2 J17.2 R35.2 R36.2 R37.2 R38.2 TP31.1 U15.3 U16.7 U17.1 U18.1 U19.10 U19.16 U20.1 U21.1 U22.1 U23.1 | length 12529.2
  Top Layer w10: U15.3@7850.5,841 7947.64,841 TP31.1@7948.75,842.11
  Top Layer w20: C65.1@7810,1340 7810,1290 7830,1270 7980,1270 8006.02,1296.02 U19.10@8006.02,1343 ; v1(7840,680) 7840,729.5 C58.2@7839.5,730 7847.38,737.88 7847.38,837.88 U15.3@7850.5,841 ; v1(7950,1200) R38.2@7997.5,1200 ; v1(8020,740) 8067.5,740 R35.2@8070,742.5 ; U19.16@8159.57,1343 8177,1343 8190.5,1329.5 C62.2@8250,1329.5 8250.5,1330 v1(8310,1330) ; U16.7@8196.75,572.8 8274.3,572.8 C57.2@8291.5,590 8292.1,590.6 v1(8292.1,641.57) ; R36.2@8200,742.5 8202.5,740 v1(8250,740) ; R37.2@8234,1200 v1(8280,1200)
  Bottom Layer w50: C61.1@5628.5,810 U21.1@5720,810 ; C60.1@5718.5,1400 5718.5,1190 5718.5,1014.77 5709.5,1005.77 5709.5,914.23 5720,903.73 U21.1@5720,810 ; C60.1@5720,1400 U20.1@5720,1510 5764.64,1510 5789.14,1534.5 6317,1534.5 C64.1@6330,1521.5 ; C63.1@6328.5,808.5 C63.1@6330,807 ; C64.1@6330,1510 U22.1@6420,1510 ; 6700,2000 7748.43,2000 C67.1@7808.43,1940 C66.1@7808.43,1640 C65.1@7808.43,1341.57 ; C69.1@7020,808.5 6994,834.5 6489.14,834.5 6464.64,810 U23.1@6420,810 ; C68.1@7030,1510 U18.1@7120,1510 7120,1016.27 7109.5,1005.77 7109.5,914.23 7120,903.73 U17.1@7120,810 C69.1@7031.5,810 ; C68.1@7030,1511.5 7008,1533.5 6990.07,1533.5 6989.07,1534.5 6489.14,1534.5 6464.64,1510 U22.1@6420,1510 ; U21.1@5720,810 5764.64,810 5789.14,834.5 5850.86,834.5 5875.36,810 U23.1@6420,810 ; U23.1@6420,810 6420,903.73 6409.5,914.23 6409.5,1005.77 6420,1016.27 U22.1@6420,1510
  Bottom Layer w60: 5718.5,1190 5708.5,1200 5350,1200 ; J17.2@6770,400 6770,450 6690,530 5550,530 5350,730 5350,1200 ; J16.2@6770,2100 6770,2070 6700,2000 5480,2000 5350,1870 5350,1200
VBUS_5V_SM: B11.1 B12.1 C47.2 C49.2 C50.2 C51.2 C52.1 C53.1 C54.1 C55.1 J5.2 J11.2 J12.2 R19.1 R20.1 R26.2 R27.2 R28.2 R29.2 TP13.1 U11.3 U13.7 U14.10 U14.16 | length 6962.5
  Top Layer w20: U13.7@6842.8,2663.25 6842.8,2607.2 6870,2580 C49.2@6870,2568.5 6928.5,2568.5 v1(6930,2570) ; TP13.1@7425,2807 7452,2780 v1(7496,2780) 7562.5,2780 R27.2@7570,2772.5 ; C53.1@7720,2600 7760,2640 7900,2640 7936.02,2603.98 U14.10@7936.02,2563 ; R26.2@7720,2812.5 7767.5,2812.5 v1(7800,2780) ; v1(8020,2330) R29.2@8020,2377.5 ; U14.16@8089.57,2563 8102.57,2550 C51.2@8169.5,2550 8169.5,2609.5 v1(8170,2610) ; v1(8240,2330) R28.2@8240,2377.5
  Bottom Layer w20: v1(6930,2570) 7000,2570 7030,2600 ; C50.2@7189.5,3080 7190.14,3079.36 B11.1@7190.14,2967.43 ; 7520,2420 7530,2430 7740,2430 7840,2330 v1(8020,2330) v1(8240,2330) ; C52.1@7709.5,3080 7710.14,3079.36 B12.1@7710.14,2967.43 ; 8015,2935 8170,2780 v1(8170,2610)
  Bottom Layer w50: J11.2@6670,3200 6890,3200 ; U11.3@6839.5,3436 6839.5,3368.93 6840.5,3367.93 6840.5,3360 C47.2@6870.5,3330 6890,3310.5 6890,3200 ; B11.1@7190.14,2967.43 7182.71,2960 7030,2960 ; J5.2@7570,2321.51 7570,2370 7520,2420 7090,2420 7030,2480 7030,2600 ; B12.1@7710.14,2967.43 7522.71,2780 ; C53.1@7720,2600 C55.1@7120,2600 7030,2600 ; J12.2@8370,3200 8280,3200 8015,2935 7860,2780 v1(7800,2780) 7522.71,2780 ; 6890,3200 7030,3060 7030,2960 ; 7030,2600 7030,2780 ; 7030,2780 v1(7496,2780) 7522.71,2780 ; 7030,2780 7030,2960
XIN: C16.2 U2.20 X1.1 | length 266.4
  Top Layer w7: C16.2@3834.31,3491 3834.31,3501.02 3871.23,3537.95 U2.20@3871.23,3584.85
  Top Layer w10: X1.1@3796.69,3349.5 3828.03,3380.84 3828.39,3380.84 3834.25,3386.7 3834.25,3387.06 3834.31,3387.12 C16.2@3834.31,3491
XOUT: R6.2 U2.21 | length 107
  Top Layer w7: U2.21@3887.13,3585 3887.13,3538.87 3918.5,3507.5 R6.2@3918.5,3491
pads on no net: J1. J1.A8 J1.B8 J1.SH1 J1.SH2 J1.SH3 J1.SH4 J2.9 J2.10 J2.11 J2.12 J8.4 J8.5 J13.2 J13.3 SW1. SW1.3 SW1.4 SW1.5 U2.7 U2.8 U2.16 U2.17 U2.18 U2.26 U2.29 U2.30 U2.31 U2.32 U2.34 U2.35 U2.36 U2.38 U2.39 U2.40 U2.41 U10.5 U14.3 U14.4 U14.5 U14.6 U14.7 U14.8 U17.3 U17.4 U17.5 U18.3 U18.4 U18.5 U19.7 U19.8 U20.3 U20.4 U20.5 U21.3 U21.4 U21.5 U22.3 U22.4 U22.5 U23.3 U23.4 U23.5 U25. U25.1 U25.7 U25.11 U25.12 U25.13 U25.15 U25.16 U25.17 U25.18 U25.19 U25.21 U25.22 U25.23 U25.24 U25.26 U25.27 U25.28 U25.29 U25.31 U25.32 U25.33 U25.36 U25.37 U29.27 U29.28 U29.29

## Polygon pours and split planes (outlines as drawn)
GND on Bottom Layer "GND_L02_P009" (solid, pour order 9): 213,4898 6537,4898 6537,2216 210.01,2216
GND on Bottom Layer "GND_L02_P005" (solid, remove dead copper, pour order 5): 6569,4897 8464,4897 8464,2217 6569,2217
GND on Bottom Layer "GND_L02_P002" (solid, remove dead copper, pour order 2): 5216,300 5216,2184 8370,2184 8370,1403.65 7780,1403.65 7780,300
VBUS_5V_MM on Bottom Layer "VBUS_5V_MM_L02_P003" (solid, remove dead copper, pour order 3): 8370,400 8370,1450 7780,1450 7780,400
GND on Bottom Layer "GND_L02_P001" (solid, remove dead copper, pour order 1): 210,2184 5183,2184 5183,300 210,300
GND on Top Layer "GND_L01_P008" (solid, remove dead copper, pour order 8): 213,4895 6537,4895 6537,2216 210.02,2216
GND on Top Layer "GND_L01_P006" (solid, remove dead copper, pour order 6): 6569,4897 8464,4897 8464,2217 6569,2217
12V_IN on Top Layer "12V_IN_L01_P007" (solid, pour order 7): 5917.1,4634 6273,4634 6273,4354 5917.1,4354
GND on Top Layer "GND_L01_P004" (solid, remove dead copper, pour order 4): 5216,2184 8470,2184 8470,300 5216,300
GND on Top Layer "GND_L01_P000" (solid, remove dead copper, pour order 0): 210,2184 5183,2184 5183,300 210,300

## Silkscreen, mask and mechanical layers (free items; w line width, h text height)
V Cut:
  lines w30: 210,2200 8470,2200 ; 5200,300 5200,2200 ; 6553,2201 6553,4898 ; 9325.65,816 9400.67,3509.15

## Text inside footprints (layer, text, board x,y; h text height)
CR1: Top Overlay "*" at 3263,2153.5 h50 r180; Mechanical 13 "*" at 3198,2153.5 h50 r180
J2: Top Overlay "*" at 1712.18,4341.87 h50 r180; Mechanical 13 "*" at 1712.18,4341.87 h50 r180
J3: Top Overlay "*" at 5983,4606.16 h50; Mechanical 13 "*" at 5983,4606.16 h50
U2: Top Overlay "*" at 3703.5,3806.24 h50; Mechanical 13 "*" at 3764.5,3806.24 h50
U4: Top Overlay "*" at 3509,3738 h50 r90; Mechanical 13 "*" at 3548,3803.5 h50 r90
U6: Top Overlay "*" at 4040.75,1947.39 h50; Mechanical 13 "*" at 4040.75,1947.39 h50
U10: Top Overlay "*" at 5563,4605.25 h50 r90; Mechanical 13 "*" at 5609.5,4659 h50 r90
U13: Top Overlay "*" at 6877.39,2819.25 h50 r270; Mechanical 13 "*" at 6877.39,2819.25 h50 r270
U14: Top Overlay "*" at 8098.57,2819.5 h50 r270; Mechanical 13 "*" at 8047.5,2766 h50 r270
U16: Top Overlay "*" at 8040.75,607.39 h50; Mechanical 13 "*" at 8040.75,607.39 h50
U19: Top Overlay "*" at 8168.57,1599.5 h50 r270; Mechanical 13 "*" at 8117.5,1546 h50 r270
U29: Top Overlay "*" at 2903.9,4514 h50 r270; Mechanical 13 "*" at 2903.9,4453 h50 r270
U30: Mechanical 13 "*" at 3493,4248.5 h50 r270; Bottom Overlay "*" at 3552.5,4228.5 h50 r270